# Altium PCB Cross-board.PcbDoc (part 1 of 2)
Units mm, origin at the board's own origin, x right, y up, seen from the top; angles counter-clockwise.
Board outline 151.25 x 101.25 mm, 2 copper layers (Top Layer, Bottom Layer); 165 components, 175 nets, 685 pads, 234 vias.
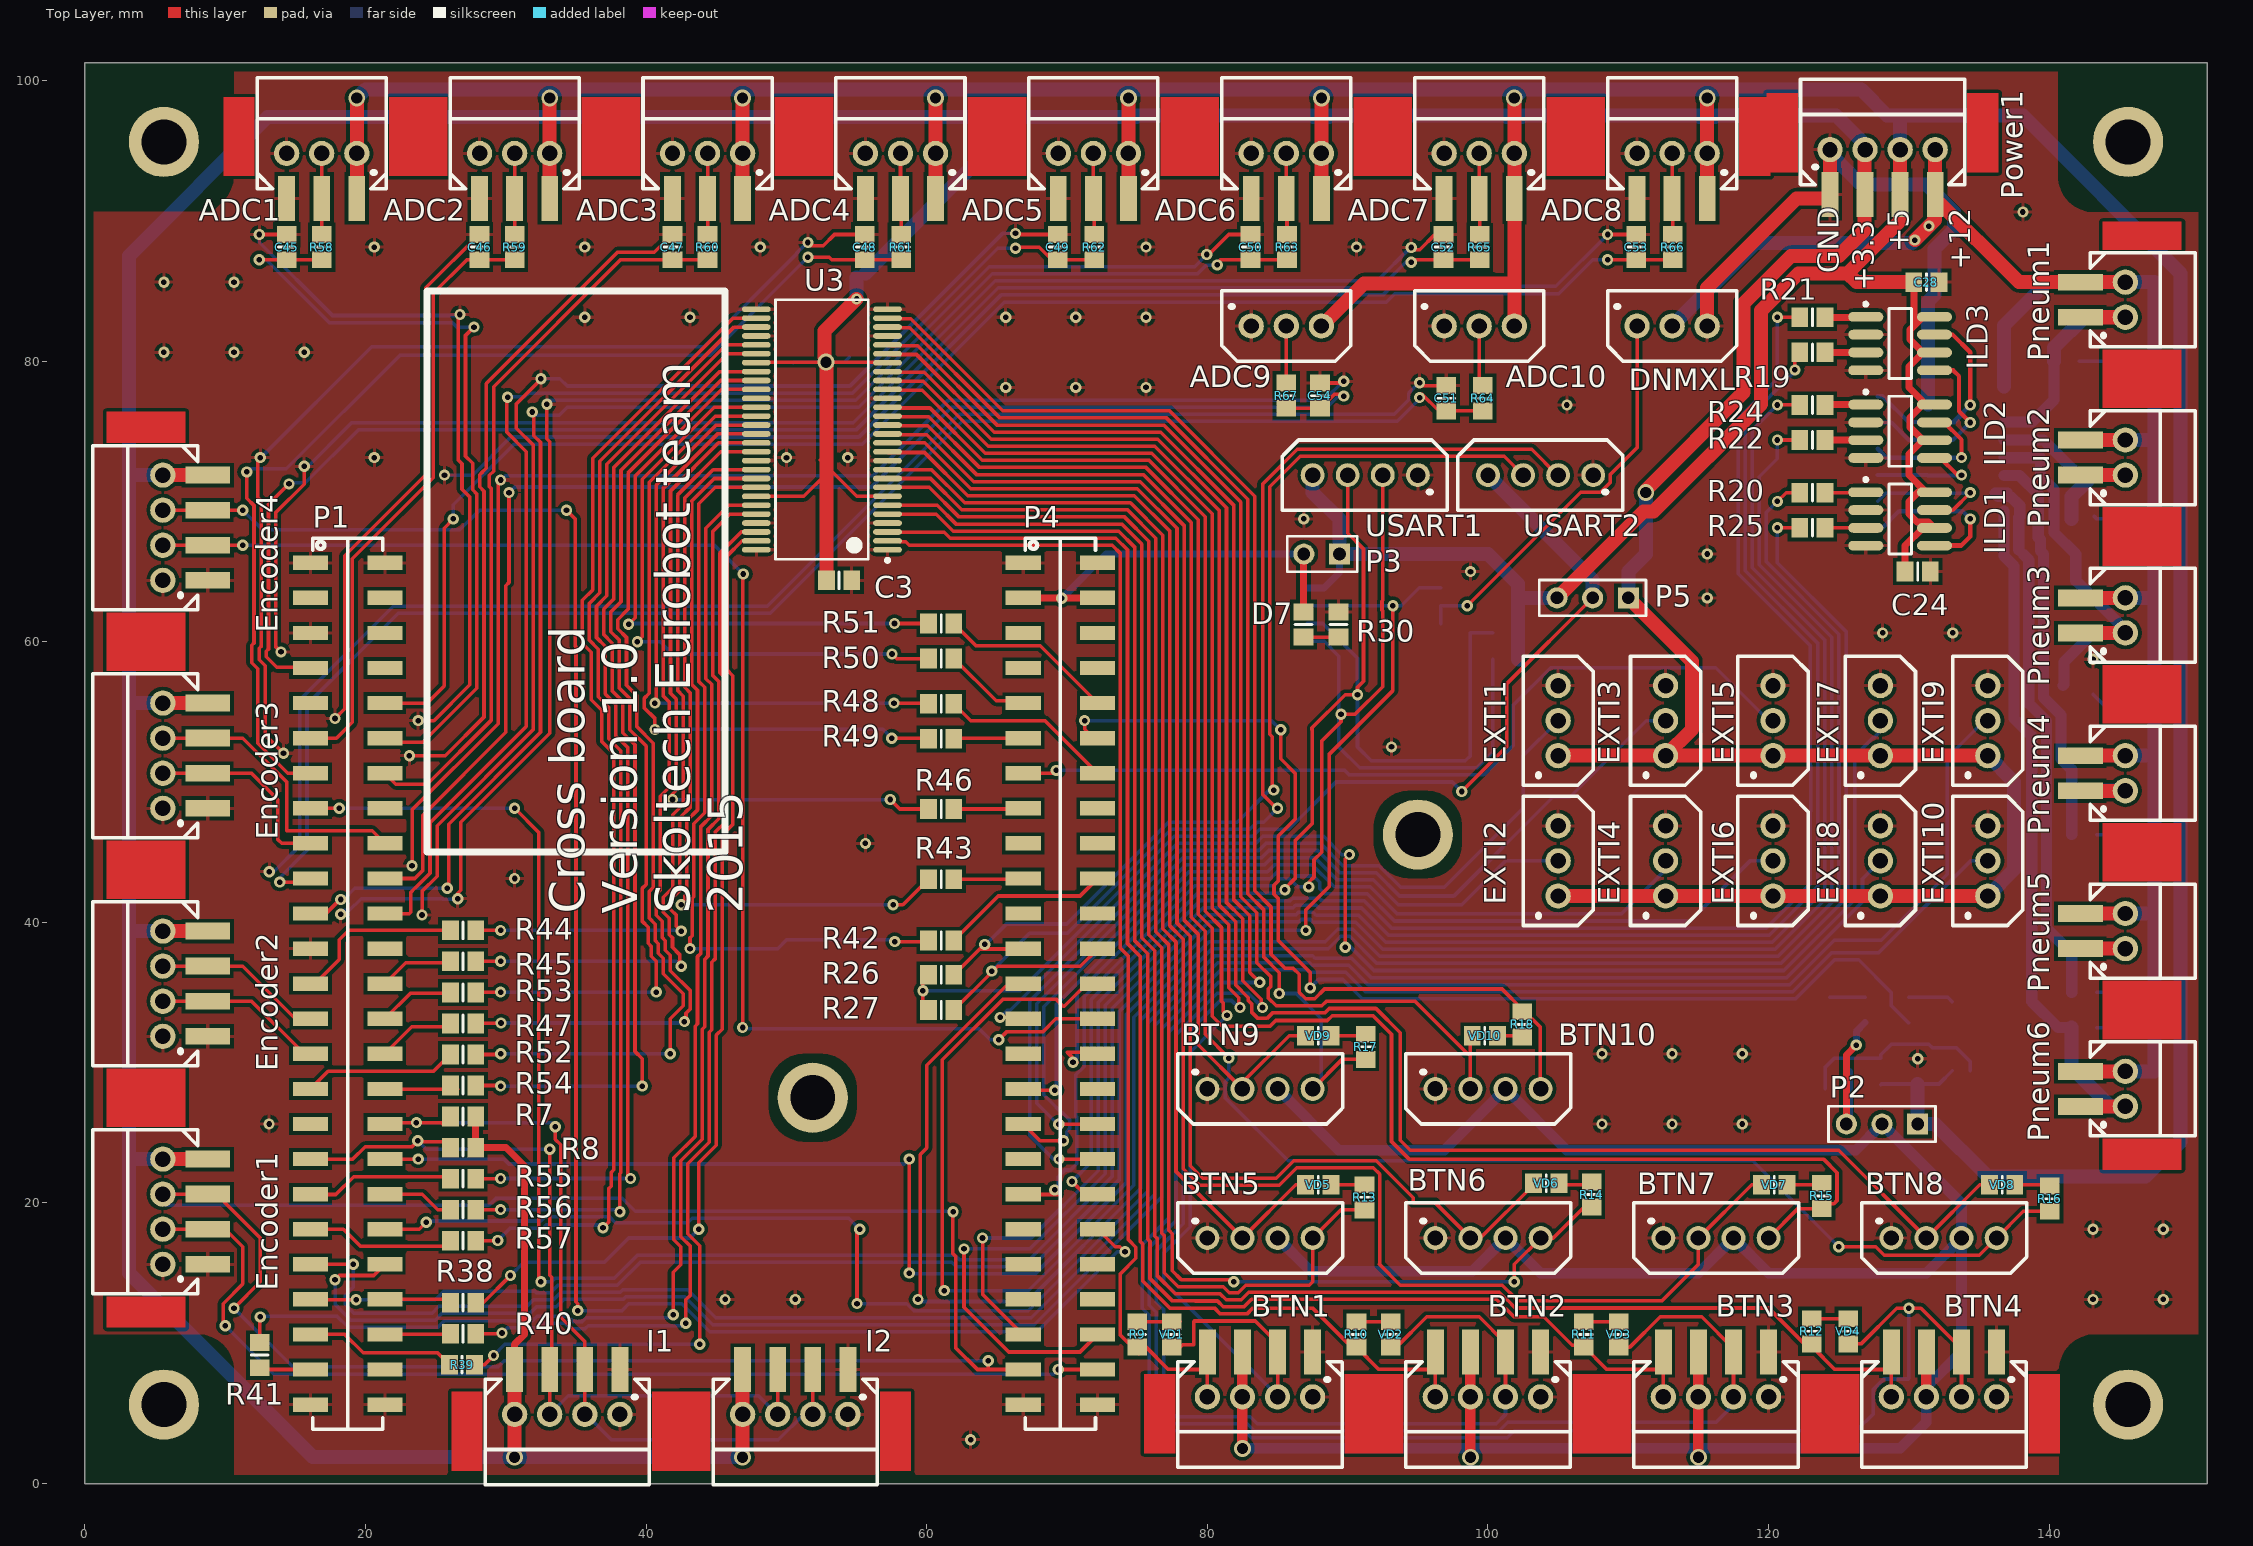
[diagram p0: Top Layer view]
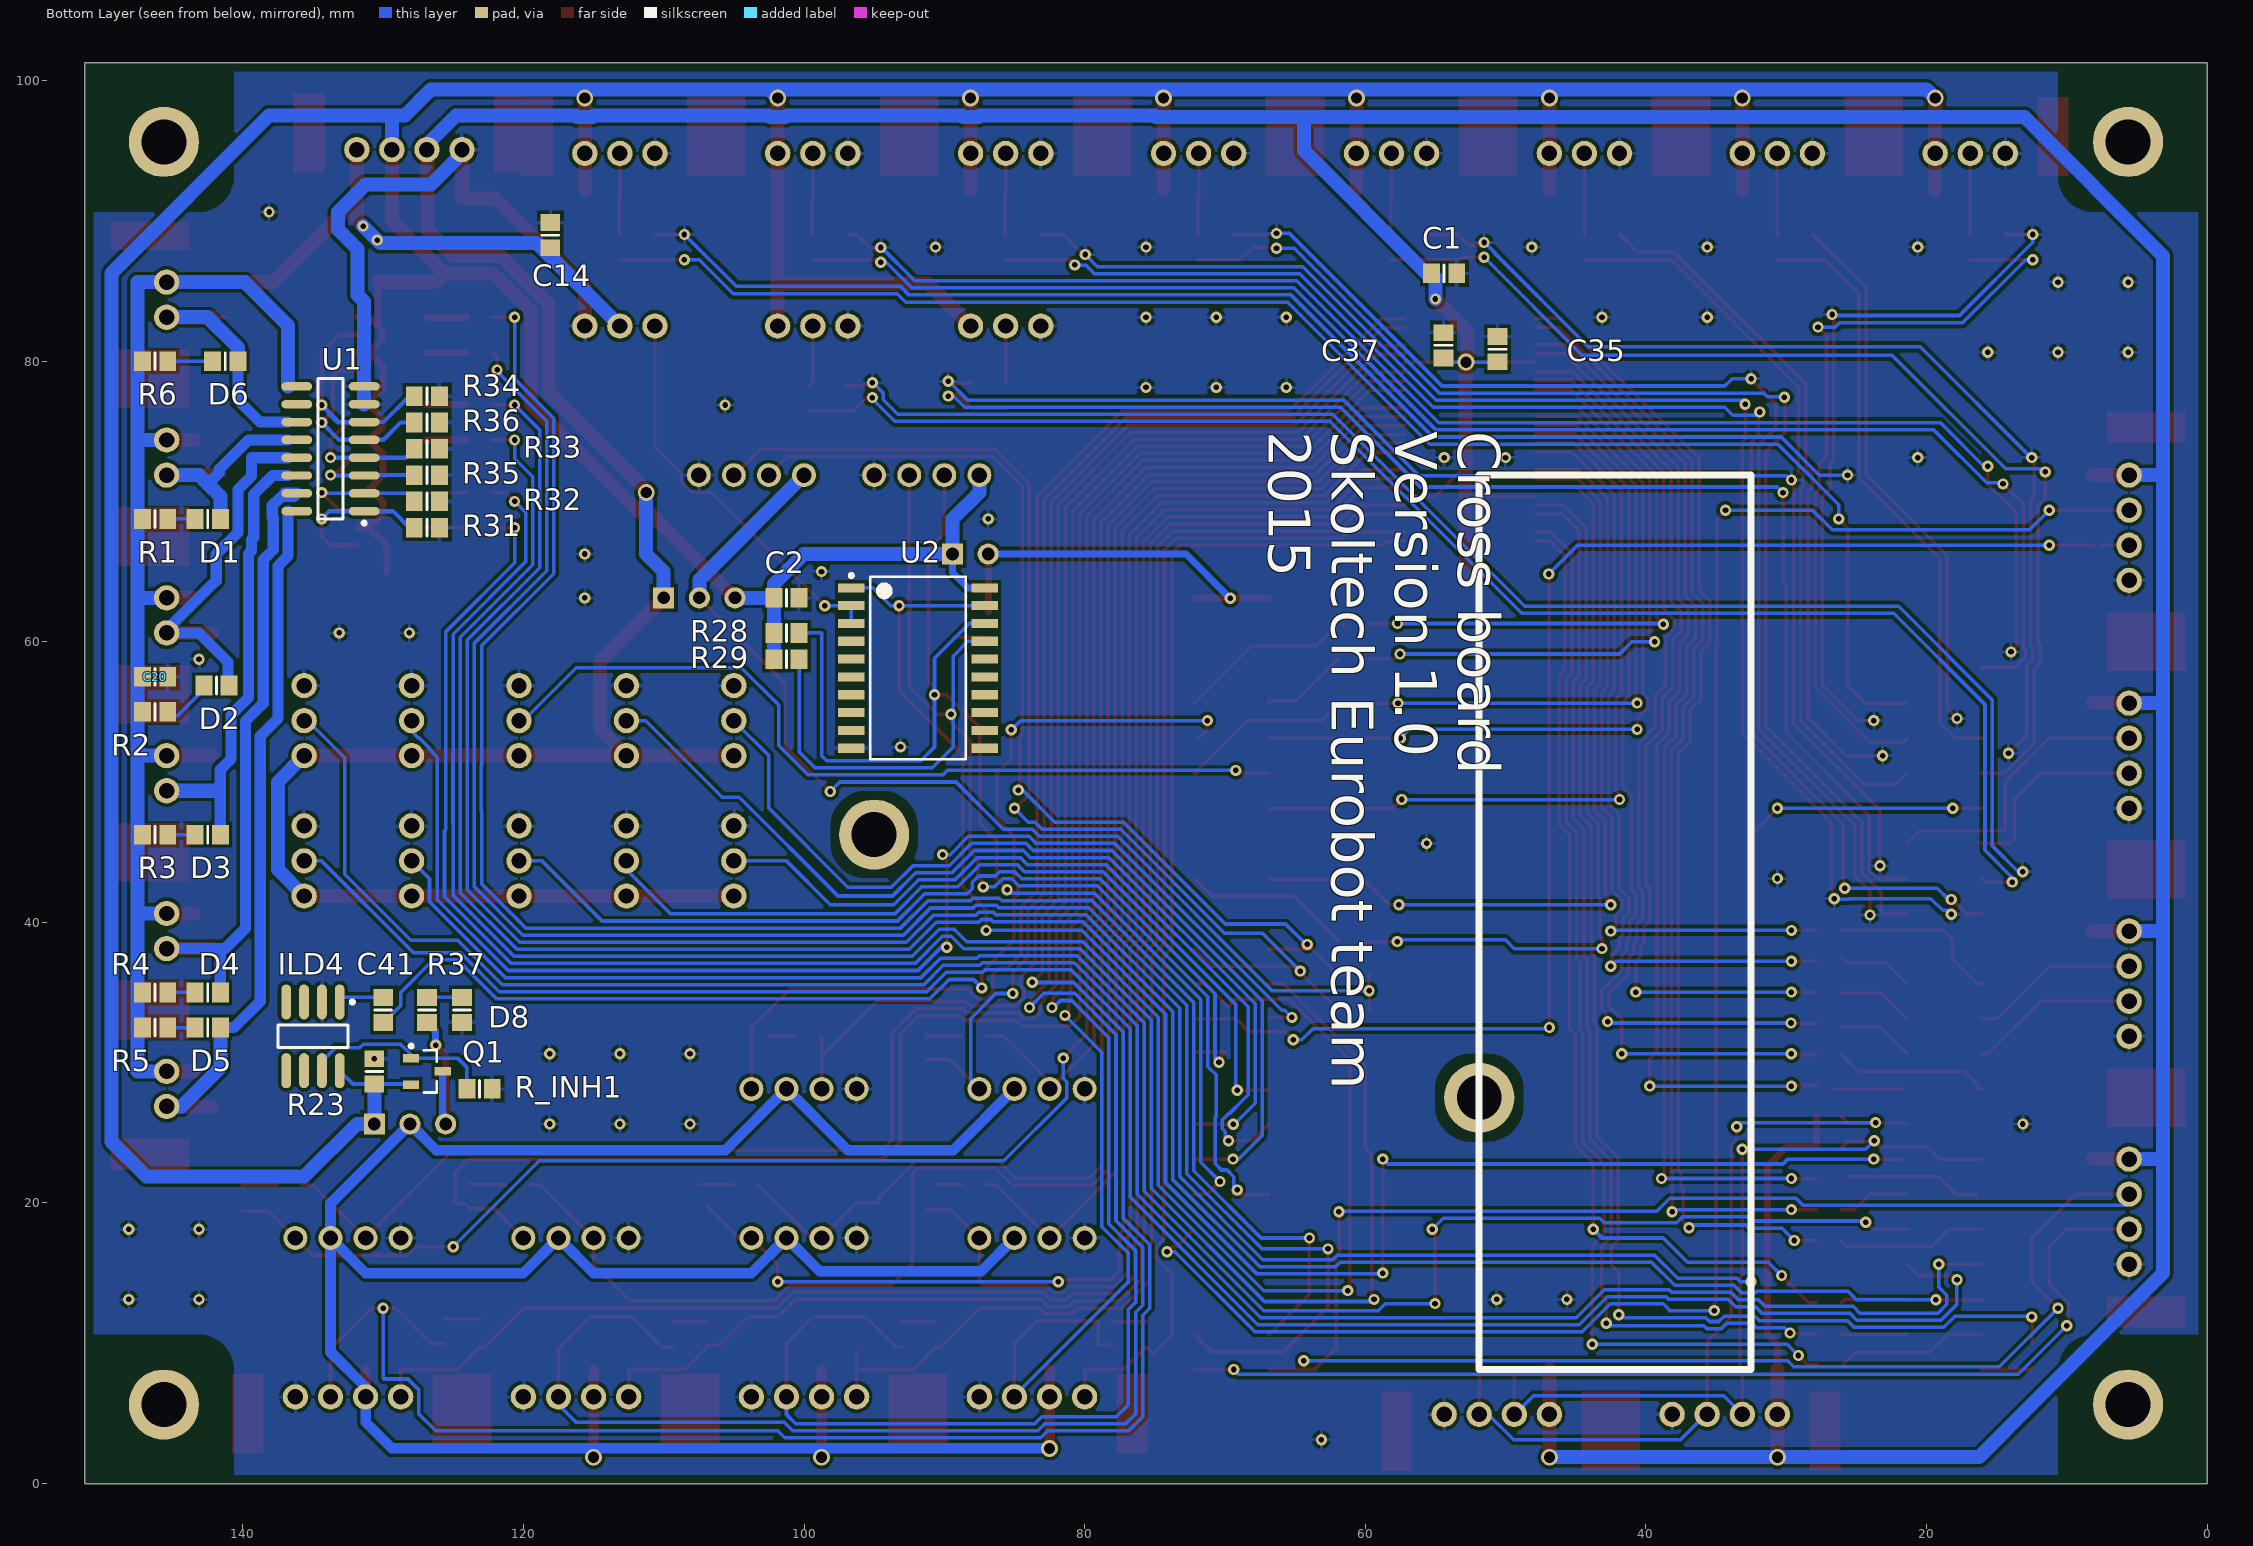
[diagram p1: Bottom Layer view, seen from below]

## Layer stack, top to bottom
Top Layer: signal copper 0.0356
Dielectric: dielectric 0.32, FR-4, Dk 4.8
Bottom Layer: signal copper 0.0356

## Board outline
0,0 0,101.25 151.25,101.25 151.25,0

## Design rules (kind name [scope] priority, off if disabled: settings)
Clearance [All] p1: gap=0.25
ComponentClearance [All] p1 off: gap=0.25 collisioncheckmode=3 verticalgap=0.254 showdistances=FALSE
PolygonConnect [All] p1: connectstyle=Relief reliefconductorwidth=0.254 reliefentries=4 polygonreliefangle="90 Angle"
RoutingVias [All] p1: holewidth=0.4 width=0.8 viastyle="Through Hole" minholewidth=0.4 minwidth=0.8 maxholewidth=0.4 maxwidth=0.8
SilkscreenOverComponentPads SilkToSolderMaskClearance [IsPad] p1: minsilkscreentomaskgap=0.2
SolderMaskExpansion [All] p1: expansion=0.2
Width [All] p1 off: maxlimit=1.5 minlimit=0.3 preferedwidth=0.3
26 further rules are at their usual default settings.

## Components (designator, comment, footprint, x,y, rotation, side; value= is the part's Value field where it differs from the comment)
ADC1 "?????????? ???? 1" "CAT5 2.5X3 SMD-THR" 14.375,92.5 r180 top (schematic designator PA1)
ADC2 "?????????? ???? 2" "CAT5 2.5X3 SMD-THR" 28.125,92.5 r180 top (schematic designator PA2)
ADC3 "?????????? ???? 3" "CAT5 2.5X3 SMD-THR" 41.875,92.5 r180 top (schematic designator PA3)
ADC4 "?????????? ???? 1" "CAT5 2.5X3 SMD-THR" 55.625,92.5 r180 top (schematic designator PA4)
ADC5 "?????????? ???? 2" "CAT5 2.5X3 SMD-THR" 69.375,92.5 r180 top (schematic designator PA5)
ADC6 "?????????? ???? 3" "CAT5 2.5X3 SMD-THR" 83.125,92.5 r180 top (schematic designator PA6)
ADC7 "?????????? ???? 1" "CAT5 2.5X3 SMD-THR" 96.875,92.5 r180 top (schematic designator PA7)
ADC8 "?????????? ???? 2" "CAT5 2.5X3 SMD-THR" 110.625,92.5 r180 top (schematic designator PA8)
ADC9 "?????????? ???? 3" "CAT5 2.5X3 THR_ADC" 83.125,82.5 r0 top (schematic designator PA9)
ADC10 "?????????? ???? 3" "CAT5 2.5X3 THR_ADC" 96.875,82.5 r0 top (schematic designator PA10)
BTN1 "Header3.5mmX4way" "CAT5 2.5X4 SMD-THR" 87.5,9.375 r0 top
BTN2 "Header3.5mmX4way" "CAT5 2.5X4 SMD-THR" 103.75,9.375 r0 top
BTN3 "Header3.5mmX4way" "CAT5 2.5X4 SMD-THR" 120,9.375 r0 top
BTN4 "Header3.5mmX4way" "CAT5 2.5X4 SMD-THR" 136.25,9.375 r0 top
BTN5 "Header3.5mmX4way" "CAT5 2.5X4_THR" 80,17.5 r0 top
BTN6 "Header3.5mmX4way" "CAT5 2.5X4_THR" 96.25,17.5 r0 top
BTN7 "Header3.5mmX4way" "CAT5 2.5X4_THR" 112.5,17.5 r0 top
BTN8 "Header3.5mmX4way" "CAT5 2.5X4_THR" 128.75,17.5 r0 top
BTN9 "Header3.5mmX4way" "CAT5 2.5X4_THR" 80,28.125 r0 top
BTN10 "Header3.5mmX4way" "CAT5 2.5X4_THR" 96.25,28.125 r0 top
C1 "Cap" 6-0805_N#1 54.375,86.25 r0 bottom
C2 "Cap" 6-0805_N#1 101.25,63.125 r0 bottom
C3 "Cap" 6-0805_N#1 53.75,64.375 r180 top
C14 "Cap" 6-0805_n 118.125,88.125 r270 bottom
C20 "Cap" 6-0805_N#1 146.25,57.5 r0 bottom
C24 "Cap" 6-0805_N#1 130.625,65 r180 top
C28 "Cap" 6-0805_N#1 131.25,85.625 r180 top
C35 "Cap" 6-0805_N#2 50.625,80 r270 bottom
C37 "Cap" 6-0805_N#2 54.475,80.275 r270 bottom
C41 "Cap" 6-0805_N#1 130.625,29.375 r270 bottom
C45 "Cap" 6-0805_N#1 14.375,88.125 r90 top
C46 "Cap" 6-0805_N#1 28.125,88.125 r90 top
C47 "Cap" 6-0805_N#1 41.875,88.125 r90 top
C48 "Cap" 6-0805_N#2 55.625,88.975 r90 top
C49 "Cap" 6-0805_N#2 69.375,88.975 r90 top
C50 "Cap" 6-0805_N#2 83.125,88.975 r90 top
C51 "Cap" 6-0805_N#2 97.075,78.2 r90 top
C52 "Cap" 6-0805_N#2 96.875,88.975 r90 top
C53 "Cap" 6-0805_N#2 110.625,88.975 r90 top
C54 "Cap" 6-0805_N#2 88.075,78.387 r90 top
D1 "SMD LED" 6-0805_N#1 142.5,68.75 r180 bottom
D2 "SMD LED" 6-0805_N#1 141.875,56.875 r180 bottom
D3 "SMD LED" 6-0805_N#1 142.5,46.25 r180 bottom
D4 "SMD LED" 6-0805_N#1 142.5,35 r180 bottom
D5 "SMD LED" 6-0805_N#1 142.5,32.5 r180 bottom
D6 "SMD LED" 6-0805_N#1 141.25,80 r180 bottom
D7 "LED0" 6-0805_N#1 89.35,61.225 r90 top
D8 "LED0" 6-0805_N#1 124.375,33.75 r270 bottom
DNMXL "Header 3" "CAT5 2.5X3 THR" 110.625,82.5 r0 top (schematic designator Dynomixels1)
Encoder1 "Header3.5mmX4way" "CAT5 2.5X4 SMD-THR" 8.75,15.625 r270 top
Encoder2 "Header3.5mmX4way" "CAT5 2.5X4 SMD-THR" 8.75,31.875 r270 top
Encoder3 "Header3.5mmX4way" "CAT5 2.5X4 SMD-THR" 8.75,48.125 r270 top
Encoder4 "Header3.5mmX4way" "CAT5 2.5X4 SMD-THR" 8.75,64.375 r270 top
EXTI1 "Header 3" "CAT5 2.5X3 THR" 105,51.875 r90 top
EXTI2 "Header 3" "CAT5 2.5X3 THR" 105,41.875 r90 top
EXTI3 "Header 3" "CAT5 2.5X3 THR" 112.656,51.875 r90 top
EXTI4 "Header 3" "CAT5 2.5X3 THR" 112.656,41.875 r90 top
EXTI5 "Header 3" "CAT5 2.5X3 THR" 120.312,51.875 r90 top
EXTI6 "Header 3" "CAT5 2.5X3 THR" 120.312,41.875 r90 top
EXTI7 "Header 3" "CAT5 2.5X3 THR" 127.969,51.875 r90 top
EXTI8 "Header 3" "CAT5 2.5X3 THR" 127.969,41.875 r90 top
EXTI9 "Header 3" "CAT5 2.5X3 THR" 135.625,51.875 r90 top
EXTI10 "Header 3" "CAT5 2.5X3 THR" 135.625,41.875 r90 top
I1 "Header 4" "CAT5 2.5X4 SMD-THR" 38.125,8.125 r0 top
I2 "Header 4" "CAT5 2.5X4 SMD-THR" 54.375,8.125 r0 top
ILD1 "ILD207" SO8_M 129.375,68.75 r0 top
ILD2 "ILD207" SO8_M 129.375,75 r0 top
ILD3 "ILD207" SO8_M 129.375,81.25 r0 top
ILD4 "ILD207" SO8_M 135,31.875 r270 bottom
P1 "Header 25X2" "25X2PIN CONNECTOR SMD - DUPLICATE" 16.075,65.625 r270 top
P2 "Header 3" HDR1X3 130.625,25.625 r180 top
P3 "Header 2" "HDR 1X2" 89.415,66.25 r180 top
P4 "Header 25X2" "25X2PIN CONNECTOR SMD - DUPLICATE" 66.875,65.625 r270 top
P5 "Header 3" HDR1X3 110,63.125 r180 top
Pneum1 "Header_vetrical_3.5x2" "CAT5 2.5X2 SMD-THR" 143.125,85.625 r90 top
Pneum2 "Header_vetrical_3.5x2" "CAT5 2.5X2 SMD-THR" 143.125,74.375 r90 top
Pneum3 "Header_vetrical_3.5x2" "CAT5 2.5X2 SMD-THR" 143.125,63.125 r90 top
Pneum4 "Header_vetrical_3.5x2" "CAT5 2.5X2 SMD-THR" 143.125,51.875 r90 top
Pneum5 "Header_vetrical_3.5x2" "CAT5 2.5X2 SMD-THR" 143.125,40.625 r90 top
Pneum6 "Header_vetrical_3.5x2" "CAT5 2.5X2 SMD-THR" 143.125,29.375 r90 top
Power1 "Header3.5mmX4way" "CAT5 2.5X4 SMD-THR" 124.375,91.877 r180 top
Q1 "IRLML5103" SOT-23_N 126.875,29.375 r0 bottom
R1 "Res2" 6-0805_N#1 146.25,68.75 r180 bottom
R2 "Res2" 6-0805_N#1 146.25,55 r180 bottom
R3 "Res2" 6-0805_N#1 146.25,46.25 r180 bottom
R4 "Res2" 6-0805_N#1 146.25,35 r180 bottom
R5 "Res2" 6-0805_N#1 146.25,32.5 r180 bottom
R6 "Res2" 6-0805_N#1 146.25,80 r180 bottom
R7 "Res3" 6-0805_N#1 26.948,26.156 r180 top
R8 "Res3" 6-0805_N#1 26.948,23.944 r180 top
R9 "Res2" 6-0805_N#1 75,10.625 r90 top
R10 "Res2" 6-0805_N#1 90.625,10.625 r90 top
R11 "Res2" 6-0805_N#2 106.875,11.475 r90 top
R12 "Res2" 6-0805_N#2 123.125,11.7 r90 top
R13 "Res2" 6-0805_N#2 91.25,21.25 r90 top
R14 "Res2" 6-0805_N#2 107.45,21.448 r90 top
R15 "Res2" 6-0805_N#3 123.75,19.65 r270 top
R16 "Res2" 6-0805_N#3 140,19.452 r270 top
R17 "Res2" 6-0805_N#3 91.25,30.275 r270 top
R18 "Res2" 6-0805_N#3 102.5,33.575 r90 top
R19 "Res3" 6-0805_N#1 123.125,80.625 r0 top
R20 "Res3" 6-0805_N#1 123.125,70.625 r0 top
R21 "Res3" 6-0805_N#1 123.125,83.125 r0 top
R22 "Res2" 6-0805_N#1 123.125,74.375 r0 top
R23 "Res3" 6-0805_N#1 130,33.75 r90 bottom
R24 "Res2" 6-0805_N#1 123.125,76.875 r0 top
R25 "Res2" 6-0805_N#1 123.125,68.125 r0 top
R26 "Res2" 6-0805_N#1 61.025,36.25 r180 top
R27 "Res2" 6-0805_N#1 61.025,33.75 r180 top
R28 "Res2" 6-0805_N#1 101.25,60.625 r0 bottom
R29 "Res2" 6-0805_N#1 101.25,58.75 r0 bottom
R30 "Res2" 6-0805_N#1 86.85,61.225 r270 top
R31 "Res3" 6-0805_N#1 126.875,70 r180 bottom
R32 "Res3" 6-0805_N#1 126.875,68.125 r180 bottom
R33 "Res3" 6-0805_N#1 126.875,73.75 r180 bottom
R34 "Res3" 6-0805_N#1 126.875,77.5 r180 bottom
R35 "Res3" 6-0805_N#1 126.875,71.875 r180 bottom
R36 "Res3" 6-0805_N#1 126.875,75.625 r180 bottom
R37 "Res2" 6-0805_N#1 126.875,33.75 r90 bottom
R38 "Res2" 6-0805_N#2 27.798,12.837 r0 top
R39 "Res2" 6-0805_N#2 27.725,8.425 r0 top
R40 "Res2" 6-0805_N#2 27.798,10.625 r0 top
R41 "Res2" 6-0805_N#2 12.5,10 r90 top
R42 "Res2" 6-0805_N#2 60.175,38.75 r180 top
R43 "Res2" 6-0805_N#2 60.175,43.125 r180 top
R44 "Res2" 6-0805_N#2 27.798,39.375 r0 top
R45 "Res2" 6-0805_N#2 27.798,37.163 r0 top
R46 "Res2" 6-0805_N#2 60.175,48.125 r180 top
R47 "Res2" 6-0805_N#2 27.798,32.74 r0 top
R48 "Res2" 6-0805_N#2 60.175,55.625 r180 top
R49 "Res2" 6-0805_N#2 60.175,53.125 r180 top
R50 "Res2" 6-0805_N#3 61.875,58.75 r0 top
R51 "Res2" 6-0805_N#3 61.875,61.25 r0 top
R52 "Res2" 6-0805_N#3 26.098,30.629 r180 top
R53 "Res2" 6-0805_N#3 26.098,35.052 r180 top
R54 "Res2" 6-0805_N#3 26.098,28.417 r180 top
R55 "Res2" 6-0805_N#3 26.098,21.783 r180 top
R56 "Res2" 6-0805_N#3 26.098,19.571 r180 top
R57 "Res2" 6-0805_N#3 26.098,17.36 r180 top
R58 "Res3" 6-0805_N#1 16.875,88.125 r270 top
R59 "Res3" 6-0805_N#1 30.625,88.125 r270 top
R60 "Res3" 6-0805_N#1 44.375,88.125 r270 top
R61 "Res3" 6-0805_N#2 58.125,87.275 r270 top
R62 "Res3" 6-0805_N#2 71.875,87.275 r270 top
R63 "Res3" 6-0805_N#2 85.625,87.275 r270 top
R64 "Res3" 6-0805_N#2 99.575,76.5 r270 top
R65 "Res3" 6-0805_N#2 99.375,87.275 r270 top
R66 "Res3" 6-0805_N#2 113.125,87.275 r270 top
R67 "Res3" 6-0805_N#2 85.575,76.687 r270 top
R_INH1 "Res3" 6-0805_N#1 123.125,28.125 r180 bottom
U1 "ULN2003D" SO16_N 133.75,73.75 r180 bottom
U2 "SN74241" "SOIC127 (sn74241)" 91.875,58.125 r180 bottom
U3 "SN74ALVCH162827DL" DL056_N 52.525,75.125 r0 top
USART1 "Header 4" "CAT5 2.5X4_THR" 95,71.875 r180 top
USART2 "Header 4" "CAT5 2.5X4_THR" 107.5,71.875 r180 top
VD1 "Bipolar LED" 6-0805_N#3 77.5,11.475 r90 top
VD2 "Bipolar LED" 6-0805_N#3 93.125,11.475 r90 top
VD3 "Bipolar LED" 6-0805_N#3 109.375,11.475 r90 top
VD4 "Bipolar LED" 6-0805_N#2 125.625,10 r270 top
VD5 "Bipolar LED" 6-0805_N#3 88.75,21.25 r0 top
VD6 "Bipolar LED" 6-0805_N#3 105,21.348 r0 top
VD7 "Bipolar LED" 6-0805_N#3 121.25,21.25 r0 top
VD8 "Bipolar LED" 6-0805_N#3 137.5,21.25 r0 top
VD9 "Bipolar LED" 6-0805_N#3 88.75,31.875 r0 top
VD10 "Bipolar LED" 6-0805_N#3 100.625,31.875 r0 top

## Footprints (in the part's own frame and the unit in brackets; to place one, negate y for a bottom-side part, rotate by r counter-clockwise, add the part's x,y. Pads: shape width x height; smd on the part's side, far side on the other; paste and mask are expansions set on the pad)
6-0805_N#1 [mm] "Chip Resistor, Body 2.0x1.2mm, IPC Medium Density"
  rect 1.2x1.4 smd: 1(-0.9,0) 2(0.9,0)
  silkscreen extent 0,-0.6 0,0.6, body extent -1.07,-0.7 1.07,0.7, height 0.7
6-0805_N#2 [mm]
  rect 1.2x1.4 smd: 1(-1.75,0.05) 2(0.05,0.05)
  silkscreen extent -0.85,-0.55 -0.85,0.65, body extent -1.92,-0.65 0.22,0.75, height 0.5
6-0805_N#3 [mm]
  rect 1.2x1.4 smd: 1(0.05,0.05) 2(-1.75,0.05)
  silkscreen extent -0.85,-0.55 -0.85,0.65
6-0805_n [mm]
  rect 1.2x1.4 smd: 1(-1.75,0.05) 2(0.05,0.05)
  silkscreen extent -0.85,-0.55 -0.85,0.65, body extent -1.92,-0.65 0.22,0.75, height 0.5
"25X2PIN CONNECTOR SMD - DUPLICATE" [mm]
  rect 1.02x2.5 smd: 1(0,0) 2(0,5.3) 3(2.5,0) 4(2.5,5.3) 5(5,0) 6(5,5.3) 7(7.5,0) 8(7.5,5.3) 9(10,0) 10(10,5.3) 11(12.5,0) 12(12.5,5.3) 13(15,0) 14(15,5.3) 15(17.5,0) 16(17.5,5.3) 17(20,0) 18(20,5.3) 19(22.5,0) 20(22.5,5.3) 21(25,0) 22(25,5.3) 23(27.5,0) 24(27.5,5.3) 25(30,0) 26(30,5.3) 27(32.5,0) 28(32.5,5.3) 29(35,0) 30(35,5.3) 31(37.5,0) 32(37.5,5.3) 33(40,0) 34(40,5.3) 35(42.5,0) 36(42.5,5.3) 37(45,0) 38(45,5.3) 39(47.5,0) 40(47.5,5.3) 41(50,0) 42(50,5.3) 43(52.5,0) 44(52.5,5.3) 45(55,0) 46(55,5.3) 47(57.5,0) 48(57.5,5.3) 49(60,0) 50(60,5.3)
  silkscreen extent -1.75,0.15 61.75,5.15, body extent -1.8,0.1 61.8,5.2, height 7.5
"CAT5 2.5X2 SMD-THR" [mm] "2pads"
  rect 1.2x3.2 smd: 1(-2.5,0.9) 2(0,0.9)
  round 1.8 hole 1.1: 1(-2.498,-2.3) 2(0.002,-2.3)
  Top Layer region: 2.3,-6.3 4.3,-6.3 4.3,-0.7 2.3,-0.7
  Top Layer region: -7,-6.3 -4.8,-6.3 -4.8,-0.7 -7,-0.7
  silkscreen extent -4.6,-7.3 2.1,0.2, body extent -6.57,-7.45 4.02,2.05, height 5.01
"CAT5 2.5X3 SMD-THR" [mm] "3pads"
  round 1.8 hole 1.1: 1(-5,-2.3) 2(-2.5,-2.3) 3(0,-2.3)
  rect 1.2x3.2 smd: 1(-5,0.9) 2(-2.5,0.9) 3(0,0.9)
  Top Layer region: 2.3,-6.3 4.5,-6.3 4.5,-0.7 2.3,-0.7
  Top Layer region: -9.5,-6.3 -7.3,-6.3 -7.3,-6.2 -7.3,-0.7 -9.5,-0.7
  silkscreen extent -7.1,-7.7 2.1,0.21, body extent -9.07,-7.48 4.02,2.02, height 5.01
"CAT5 2.5X3 THR" [mm] "3 pins"
  round 1.8 hole 1.1: 1(0,0) 2(2.5,0) 3(5,0)
  silkscreen extent -2.1,-2.5 7.1,2.5, body extent -2.1,-2.5 7.1,2.5, height 7.51
"CAT5 2.5X3 THR_ADC" [mm]
  round 1.8 hole 1.1: 1(5,0) 2(2.5,0) 3(0,0)
  silkscreen extent -2.1,-2.5 7.1,2.5, body extent -2.1,-2.5 7.1,2.5, height 7.51
"CAT5 2.5X4 SMD-THR" [mm] "4pad"
  round 1.8 hole 1.1: 1(0,-3.2) 2(-2.5,-3.2) 3(-5,-3.2) 4(-7.5,-3.2)
  rect 1.2x3.2 smd: 1(0,0) 2(-2.5,0) 3(-5,0) 4(-7.5,0)
  Top Layer region: -12,-7.2 -9.8,-7.2 -9.8,-1.6 -12,-1.6
  Top Layer region: 2.3,-7.2 4.5,-7.2 4.5,-1.6 2.3,-1.6
  silkscreen extent -9.6,-8.2 2.1,-0.7, body extent -11.55,-8.45 4.05,1.05, height 5.01
"CAT5 2.5X4_THR" [mm] "4 pins"
  round 1.7 hole 1.1: 1(0,0) 2(2.5,0) 3(5,0) 4(7.5,0)
  silkscreen extent -2.1,-2.5 9.65,2.5, body extent -2.08,-2.56 9.63,2.44, height 7.51
DL056_N [mm] "SOP, 56-Leads, Body 18.4x7.5mm, Pitch 0.635mm, IPC Medium Density"
  oval 2.05x0.4 smd: 1(4.675,-8.572) 2(4.675,-7.937) 3(4.675,-7.302) 4(4.675,-6.667) 5(4.675,-6.032) 6(4.675,-5.397) 7(4.675,-4.762) 8(4.675,-4.127) 9(4.675,-3.492) 10(4.675,-2.857) 11(4.675,-2.222) 12(4.675,-1.587) 13(4.675,-0.952) 14(4.675,-0.317) 15(4.675,0.318) 16(4.675,0.953) 17(4.675,1.587) 18(4.675,2.222) 19(4.675,2.857) 20(4.675,3.492) 21(4.675,4.127) 22(4.675,4.763) 23(4.675,5.397) 24(4.675,6.032) 25(4.675,6.667) 26(4.675,7.302) 27(4.675,7.938) 28(4.675,8.572) 29(-4.675,8.572) 30(-4.675,7.938) 31(-4.675,7.302) 32(-4.675,6.667) 33(-4.675,6.032) 34(-4.675,5.397) 35(-4.675,4.763) 36(-4.675,4.127) 37(-4.675,3.492) 38(-4.675,2.857) 39(-4.675,2.222) 40(-4.675,1.587) 41(-4.675,0.953) 42(-4.675,0.318) 43(-4.675,-0.317) 44(-4.675,-0.952) 45(-4.675,-1.587) 46(-4.675,-2.222) 47(-4.675,-2.857) 48(-4.675,-3.492) 49(-4.675,-4.127) 50(-4.675,-4.762) 51(-4.675,-5.397) 52(-4.675,-6.032) 53(-4.675,-6.667) 54(-4.675,-7.302) 55(-4.675,-7.937) 56(-4.675,-8.572)